# KiCad board ludeled.kicad_pcb (continued)
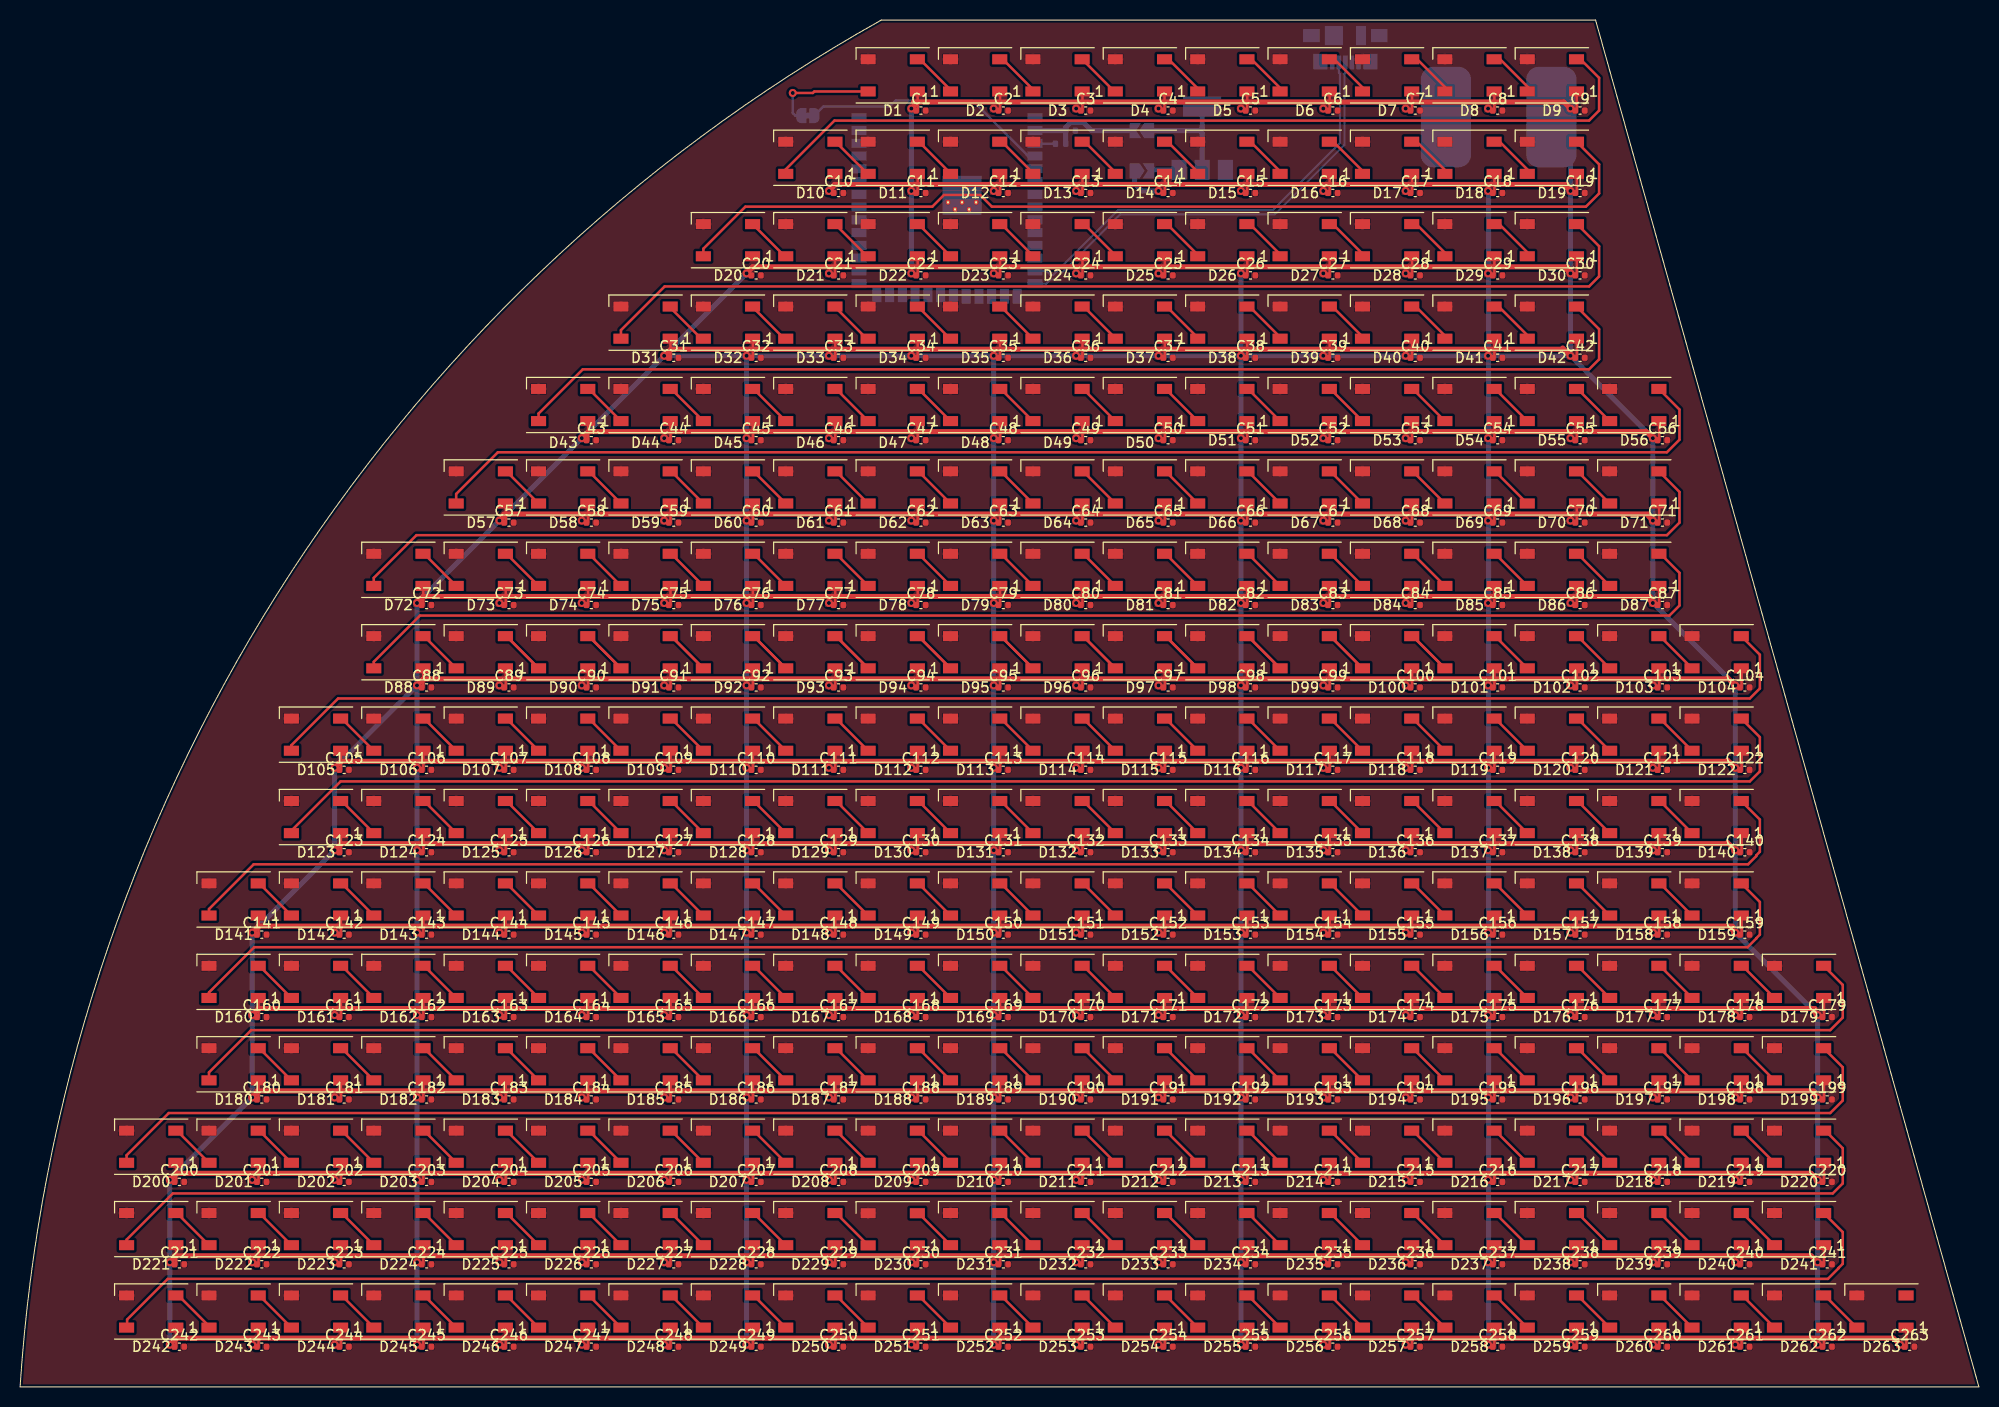
[diagram p0: board, top side]
## Nets (continued)
Net-(D237-Pad2): D237.2 D238.4
Net-(D238-Pad2): D238.2 D239.4
Net-(D239-Pad2): D239.2 D240.4
Net-(D240-Pad2): D240.2 D241.4
Net-(D241-Pad2): D241.2 D242.4
Net-(D242-Pad2): D242.2 D243.4
Net-(D243-Pad2): D243.2 D244.4
Net-(D244-Pad2): D244.2 D245.4
Net-(D245-Pad2): D245.2 D246.4
Net-(D246-Pad2): D246.2 D247.4
Net-(D247-Pad2): D247.2 D248.4
Net-(D248-Pad2): D248.2 D249.4
Net-(D249-Pad2): D249.2 D250.4
Net-(D250-Pad2): D250.2 D251.4
Net-(D251-Pad2): D251.2 D252.4
Net-(D252-Pad2): D252.2 D253.4
Net-(D253-Pad2): D253.2 D254.4
Net-(D254-Pad2): D254.2 D255.4
Net-(D255-Pad2): D255.2 D256.4
Net-(D256-Pad2): D256.2 D257.4
Net-(D257-Pad2): D257.2 D258.4
Net-(D258-Pad2): D258.2 D259.4
Net-(D259-Pad2): D259.2 D260.4
Net-(D260-Pad2): D260.2 D261.4
Net-(D261-Pad2): D261.2 D262.4
Net-(D262-Pad2): D262.2 D263.4
Net-(R1-Pad2): R1.2 U1.3

Pads without a net: D263 2; U1 5 6 7 8 9 10 11 12 15 16 17 18 19 20 21 22 23 24 25 26 28 29 30 31 32 33 34 35 38 39; USB JTAG 1 4

## Via types
v1: diameter 0.8, hole 0.4, Top to Bottom, 264 vias

## Routing (per net, layer and track width the routed paths; a pad name or vN(x,y) marks a point on that pad's centre or on a via; arc(x,y) is an arc through that point)
+3.3V: length 11.6
  Bottom w0.5: U1.2 101.02,125 C264.1 ; 110.45,125 106.65,125 105.84,125.81 104.56,125.81 104.06,125.31 R1.1
+5V: length 3391.1
  Top w0.25: 113.93,110.6 113.93,112.47 D25.1 ; D220.1 179.53,22.27 179.53,20.4 ; D228.1 72.93,14.07 72.93,12.2 ; D163.1 48.33,38.67 48.33,36.8 ; 64.73,86 64.73,87.87 D59.1 ; D33.1 81.13,104.27 81.13,102.4 ; D209.1 89.33,22.27 89.33,20.4 ; 56.53,20.4 56.53,22.27 D205.1 ; D129.1 81.13,55.07 81.13,53.2 ; 105.73,69.6 105.73,71.47 D96.1 ; D51.1 122.13,96.07 122.13,94.2 ; 171.33,53.2 171.33,55.07 D140.1 ; D95.1 97.53,71.47 97.53,69.6 ; D68.1 138.53,87.87 138.53,86 ; 146.73,36.8 146.73,38.67 D175.1 ; D11.1 89.33,120.67 89.33,118.8 ; D224.1 40.13,14.07 40.13,12.2 ; 171.33,20.4 171.33,22.27 D219.1 ; D154.1 130.33,46.87 130.33,45 ; D30.1 154.93,112.47 154.93,110.6 ; D13.1 105.73,120.67 105.73,118.8 ; D225.1 48.33,14.07 48.33,12.2 ; 122.13,20.4 122.13,22.27 D213.1 ; D263.1 187.73,5.87 187.73,4 ; 113.93,36.8 113.93,38.67 D171.1 ; 48.33,61.4 48.33,63.27 D107.1 ; 163.13,12.2 163.13,14.07 D239.1 ; 48.33,4 48.33,5.87 D246.1 ; D256.1 130.33,5.87 130.33,4 ; D72.1 40.13,79.67 40.13,77.8 ; D104.1 171.33,71.47 171.33,69.6 ; D138.1 154.93,55.07 154.93,53.2 ; D26.1 122.13,112.47 122.13,110.6 ; D131.1 97.53,55.07 97.53,53.2 ; 64.73,53.2 64.73,55.07 D127.1 ; D16.1 130.33,120.67 130.33,118.8 ; D182.1 40.13,30.47 40.13,28.6 ; 146.73,102.4 146.73,104.27 D41.1 ; 113.93,4 113.93,5.87 D254.1 ; D251.1 89.33,5.87 89.33,4 ; 138.53,77.8 138.53,79.67 D84.1 ; 113.93,69.6 113.93,71.47 D97.1 ; 122.13,69.6 122.13,71.47 D98.1 ; 81.13,61.4 81.13,63.27 D111.1 ; 122.13,102.4 122.13,104.27 D38.1 ; 89.33,102.4 89.33,104.27 D34.1 ; D60.1 72.93,87.87 72.93,86 ; 163.13,77.8 163.13,79.67 D87.1 ; D164.1 56.53,38.67 56.53,36.8 ; D161.1 31.93,38.67 31.93,36.8 ; D89.1 48.33,71.47 48.33,69.6 ; D46.1 81.13,96.07 81.13,94.2 ; D141.1 23.73,46.87 23.73,45 ; 105.73,127 105.73,128.87 D3.1 ; D168.1 89.33,38.67 89.33,36.8 ; 113.93,86 113.93,87.87 D65.1 ; D147.1 72.93,46.87 72.93,45 ; 40.13,36.8 40.13,38.67 D162.1 ; D157.1 154.93,46.87 154.93,45 ; 89.33,45 89.33,46.87 D149.1 ; D222.1 23.73,14.07 23.73,12.2 ; D203.1 40.13,22.27 40.13,20.4 ; 179.53,28.6 179.53,30.47 D199.1 ; 15.53,20.4 15.53,22.27 D200.1 ; D134.1 122.13,55.07 122.13,53.2 ; 72.93,94.2 72.93,96.07 D45.1 ; D159.1 171.33,46.87 171.33,45 ; D91.1 64.73,71.47 64.73,69.6 ; D64.1 105.73,87.87 105.73,86 ; 72.93,4 72.93,5.87 D249.1 ; D102.1 154.93,71.47 154.93,69.6 ; 31.93,61.4 31.93,63.27 D105.1 ; D56.1 163.13,96.07 163.13,94.2 ; 56.53,53.2 56.53,55.07 D126.1 ; D241.1 179.53,14.07 179.53,12.2 ; 40.13,61.4 40.13,63.27 D106.1 ; D253.1 105.73,5.87 105.73,4 ; 31.93,28.6 31.93,30.47 D181.1 ; 130.33,28.6 130.33,30.47 D193.1 ; 154.93,61.4 154.93,63.27 D120.1 ; 171.33,28.6 171.33,30.47 D198.1 ; D28.1 138.53,112.47 138.53,110.6 ; D243.1 23.73,5.87 23.73,4 ; D115.1 113.93,63.27 113.93,61.4 ; D53.1 138.53,96.07 138.53,94.2 ; D86.1 154.93,79.67 154.93,77.8 ; 105.73,61.4 105.73,63.27 D114.1 ; 130.33,110.6 130.33,112.47 D27.1 ; 64.73,12.2 64.73,14.07 D227.1 ; D261.1 171.33,5.87 171.33,4 ; D15.1 122.13,120.67 122.13,118.8 ; D234.1 122.13,14.07 122.13,12.2 ; 89.3,14.1 89.33,14.07 89.33,12.2 ; 138.53,4 138.53,5.87 D257.1 ; D262.1 179.53,5.87 179.53,4 ; D132.1 105.73,55.07 105.73,53.2 ; 130.33,86 130.33,87.87 D67.1 ; D233.1 113.93,14.07 113.93,12.2 ; D70.1 154.93,87.87 154.93,86 ; D165.1 64.73,38.67 64.73,36.8 ; 97.53,77.8 97.53,79.67 D79.1 ; 81.13,28.6 81.13,30.47 D187.1 ; D136.1 138.53,55.07 138.53,53.2 ; 146.73,4 146.73,5.87 D258.1 ; 48.33,77.8 48.33,79.67 D73.1 ; 23.73,20.4 23.73,22.27 D201.1 ; D231.1 97.53,14.07 97.53,12.2 ; D116.1 122.13,63.27 122.13,61.4 ; D63.1 97.53,87.87 97.53,86 ; 122.13,77.8 122.13,79.67 D82.1 ; 31.93,53.2 31.93,55.07 D123.1 ; 72.93,77.8 72.93,79.67 D76.1 ; 146.73,53.2 146.73,55.07 D137.1 ; 56.53,77.8 56.53,79.67 D74.1 ; D194.1 138.53,30.47 138.53,28.6 ; D108.1 56.53,63.27 56.53,61.4 ; 72.93,69.6 72.93,71.47 D92.1 ; 163.13,4 163.13,5.87 D260.1 ; 138.53,20.4 138.53,22.27 D215.1 ; D240.1 171.33,14.07 171.33,12.2 ; D62.1 89.33,87.87 89.33,86 ; 130.33,69.6 130.33,71.47 D99.1 ; D250.1 81.13,5.87 81.13,4 ; 48.33,53.2 48.33,55.07 D125.1 ; 105.73,28.6 105.73,30.47 D190.1 ; D78.1 89.33,79.67 89.33,77.8 ; D167.1 81.13,38.67 81.13,36.8 ; 146.73,118.8 146.73,120.67 D18.1 ; 130.33,77.8 130.33,79.67 D83.1 ; 146.73,20.4 146.73,22.27 D216.1 ; 122.13,86 122.13,87.87 D66.1 ; 154.93,118.8 154.93,120.67 D19.1 ; 97.53,4 97.53,5.87 D252.1 ; D113.1 97.53,63.27 97.53,61.4 ; 23.73,36.8 23.73,38.67 D160.1 ; D152.1 113.93,46.87 113.93,45 ; D142.1 31.93,46.87 31.93,45 ; D245.1 40.13,5.87 40.13,4 ; D189.1 97.53,30.47 97.53,28.6 ; 40.13,45 40.13,46.87 D143.1 ; 56.53,12.2 56.53,14.07 D226.1 ; D14.1 113.93,120.67 113.93,118.8 ; D244.1 31.93,5.87 31.93,4 ; D118.1 138.53,63.27 138.53,61.4 ; 56.53,94.2 56.53,96.07 D43.1 ; 146.73,28.6 146.73,30.47 D195.1 ; D50.1 113.93,96.07 113.93,94.2 ; D248.1 64.73,5.87 64.73,4 ; D212.1 113.93,22.27 113.93,20.4 ; D54.1 146.73,96.07 146.73,94.2 ; D170.1 105.73,38.67 105.73,36.8 ; D169.1 97.53,38.67 97.53,36.8 ; D42.1 154.93,104.27 154.93,102.4 ; 48.33,28.6 48.33,30.47 D183.1 ; D117.1 130.33,63.27 130.33,61.4 ; D204.1 48.33,22.27 48.33,20.4 ; 105.73,110.6 105.73,112.47 D24.1 ; D247.1 56.53,5.87 56.53,4 ; 138.53,45 138.53,46.87 D155.1 ; 130.33,36.8 130.33,38.67 D173.1 ; 105.73,12.2 105.73,14.07 D232.1 ; D191.1 113.93,30.47 113.93,28.6 ; D172.1 122.13,38.67 122.13,36.8 ; 81.13,20.4 81.13,22.27 D208.1 ; D150.1 97.53,46.87 97.53,45 ; D242.1 15.53,5.87 15.53,4 ; D221.1 15.53,14.07 15.53,12.2 ; D214.1 130.33,22.27 130.33,20.4 ; D185.1 64.73,30.47 64.73,28.6 ; 146.73,69.6 146.73,71.47 D101.1 ; 163.13,36.8 163.13,38.67 D177.1 ; D237.1 146.73,14.07 146.73,12.2 ; D110.1 72.93,63.27 72.93,61.4 ; 154.93,20.4 154.93,22.27 D217.1 ; D31.1 64.73,104.27 64.73,102.4 ; D197.1 163.13,30.47 163.13,28.6 ; 138.53,36.8 138.53,38.67 D174.1 ; 48.33,86 48.33,87.87 D57.1 ; D235.1 130.33,14.07 130.33,12.2 ; D196.1 154.93,30.47 154.93,28.6 ; D100.1 138.53,71.47 138.53,69.6 ; D112.1 89.33,63.27 89.33,61.4 ; 56.53,45 56.53,46.87 D145.1 ; D17.1 138.53,120.67 138.53,118.8 ; D55.1 154.93,96.07 154.93,94.2 ; 130.33,94.2 130.33,96.07 D52.1 ; 105.73,45 105.73,46.87 D151.1 ; D139.1 163.13,55.07 163.13,53.2 ; 163.13,20.4 163.13,22.27 D218.1 ; 154.93,4 154.93,5.87 D259.1 ; 89.33,94.2 89.33,96.07 D47.1 ; D128.1 72.93,55.07 72.93,53.2 ; D85.1 146.73,79.67 146.73,77.8 ; 105.73,102.4 105.73,104.27 D36.1 ; 64.73,94.2 64.73,96.07 D44.1 ; D39.1 130.33,104.27 130.33,102.4 ; 23.73,28.6 23.73,30.47 D180.1 ; 113.93,77.8 113.93,79.67 D81.1 ; D29.1 146.73,112.47 146.73,110.6 ; D77.1 81.13,79.67 81.13,77.8 ; 97.53,94.2 97.53,96.07 D48.1 ; D75.1 64.73,79.67 64.73,77.8 ; D156.1 146.73,46.87 146.73,45 ; 81.13,45 81.13,46.87 D148.1 ; 56.53,86 56.53,87.87 D58.1 ; 89.33,110.6 89.33,112.47 D22.1 ; D35.1 97.53,104.27 97.53,102.4 ; D238.1 154.93,14.07 154.93,12.2 ; D133.1 113.93,55.07 113.93,53.2 ; 72.93,28.6 72.93,30.47 D186.1 ; 146.73,127 146.73,128.87 D8.1 ; D88.1 40.13,71.47 40.13,69.6 ; D119.1 146.73,63.27 146.73,61.4 ; 130.33,53.2 130.33,55.07 D135.1 ; 122.13,28.6 122.13,30.47 D192.1 ; D223.1 31.93,14.07 31.93,12.2 ; 72.93,20.4 72.93,22.27 D207.1 ; 163.13,86 163.13,87.87 D71.1 ; 64.73,20.4 64.73,22.27 D206.1 ; 138.53,12.2 138.53,14.07 D236.1 ; 138.53,102.4 138.53,104.27 D40.1 ; D146.1 64.73,46.87 64.73,45 ; D12.1 97.53,120.67 97.53,118.8 ; D176.1 154.93,38.67 154.93,36.8 ; 89.33,28.6 89.33,30.47 D188.1 ; 163.13,61.4 163.13,63.27 D121.1 ; 171.33,61.4 171.33,63.27 D122.1 ; D184.1 56.53,30.47 56.53,28.6 ; 130.33,127 130.33,128.87 ; 97.53,127 97.53,128.87 D2.1 ; 89.33,69.6 89.33,71.47 D94.1 ; D166.1 72.93,38.67 72.93,36.8 ; D229.1 81.13,14.07 81.13,12.2 ; 154.93,127 154.93,128.87 D9.1 ; D210.1 97.53,22.27 97.53,20.4 ; D255.1 122.13,5.87 122.13,4 ; 122.13,45 122.13,46.87 D153.1 ; 113.9,126.9 113.9,128.77 ; D37.1 113.93,104.27 113.93,102.4 ; D144.1 48.33,46.87 48.33,45 ; D93.1 81.13,71.47 81.13,69.6 ; D7.1 138.53,128.87 138.53,127 ; 31.93,20.4 31.93,22.27 D202.1 ; 179.53,36.8 179.53,38.67 D179.1 ; 163.13,45 163.13,46.87 D158.1 ; D124.1 40.13,55.07 40.13,53.2 ; D178.1 171.33,38.67 171.33,36.8 ; 64.73,61.4 64.73,63.27 D109.1 ; 89.33,127 89.33,128.87 D1.1 ; 97.53,110.6 97.53,112.47 D23.1 ; 72.93,102.4 72.93,104.27 D32.1 ; 105.73,94.2 105.73,96.07 D49.1 ; 105.73,20.4 105.73,22.27 D211.1 ; 56.53,69.6 56.53,71.47 D90.1 ; D130.1 89.33,55.07 89.33,53.2 ; D103.1 163.13,71.47 163.13,69.6 ; 81.1,110.47 81.1,112.34 ; 122.13,127 122.13,128.87 ; 81.15,86.06 81.15,87.94 ; D80.1 105.73,79.67 105.73,77.8 ; 146.73,86 146.73,87.87 D69.1
  Top w0.5: 169.81,70.45 40.15,70.45 v1(39.5,69.8) ; 169.93,62.37 v1(170.7,61.6) ; 56.6,95.05 161.8,95.05 ; 153.87,119.43 v1(154.3,119) ; v1(178.9,28.8) 178.47,29.23 ; 15.33,12.83 v1(14.9,12.4) ; 162.24,78.65 40.1,78.65 40.1,78.6 v1(39.5,78) ; v1(178.9,12.4) 178.25,13.05 15.38,13.05 15.33,13 ; v1(170.7,45.2) 170.27,45.63 ; v1(23.1,45.2) 23.7,45.8 23.7,45.85 170.44,45.85 ; v1(64.1,102.6) 64.75,103.25 153.41,103.25 ; 169.93,70.57 v1(170.7,69.8) ; 48.13,86.85 162.07,86.85 ; v1(31.3,53.4) 31.95,54.05 169.81,54.05 ; 178.47,37.43 v1(178.9,37) ; 154.04,111.45 72.9,111.45 72.9,111.4 v1(72.3,110.8) ; 178.54,29.45 23.6,29.45 23.6,29.3 v1(23.1,28.8) ; 169.93,54.17 v1(170.7,53.4) ; v1(178.9,20.6) 178.25,21.25 15.55,21.25 v1(14.9,20.6) ; v1(187.1,4.2) 186.45,4.85 15.55,4.85 v1(14.9,4.2) ; 178.64,37.65 23.7,37.65 23.7,37.6 v1(23.1,37) ; 162.07,78.43 v1(162.5,78) ; v1(88.7,127.2) 89.13,127.63 ; v1(31.3,61.6) 31.95,62.25 169.81,62.25 ; 81.03,119.65 153.97,119.65 ; v1(47.7,86.2) 48.13,86.63 ; 88.91,127.85 153.65,127.85 v1(154.3,127.2) ; 153.53,103.37 v1(154.3,102.6) ; v1(55.9,94.4) 56.6,95.1 ; 162.07,86.63 v1(162.5,86.2) ; v1(80.5,119) 80.93,119.43 ; 153.87,111.23 v1(154.3,110.8) ; 161.8,95.1 v1(162.5,94.4)
  Bottom w0.5: 5V#2.1 110.93,119.72 111.65,119 v1(113.3,119) ; v1(88.7,127.2) v1(88.7,119) v1(88.7,110.8) ; 72.2,102.5 v1(72.3,102.6) v1(72.3,4.2) ; v1(154.3,102.6) v1(162.5,94.4) v1(162.5,78) v1(170.7,69.8) v1(170.7,45.2) v1(178.9,37) v1(178.9,12.4) v1(178.9,4.2) ; v1(154.3,102.6) v1(64.1,102.6) 64.2,102.5 ; v1(154.3,102.6) v1(154.3,127.2) ; v1(146.1,4.2) 146.15,4.25 146.15,118.95 v1(146.1,119) ; v1(39.5,69.8) v1(39.5,78) v1(72.3,110.8) ; v1(39.5,69.8) v1(39.5,4.2) ; v1(39.5,69.8) v1(31.3,61.6) v1(31.3,53.4) v1(23.1,45.2) v1(23.1,28.8) v1(14.9,20.6) v1(14.9,4.2) ; v1(96.9,4.2) v1(96.9,102.6) ; v1(121.5,4.2) v1(121.5,110.8)
  vias: v1(23.1,20.6) v1(23.1,12.4) v1(23.1,4.2) v1(31.3,45.2) v1(31.3,37) v1(31.3,28.8) v1(31.3,20.6) v1(31.3,12.4) v1(31.3,4.2) v1(39.5,61.6) v1(39.5,53.4) v1(39.5,45.2) v1(39.5,37) v1(39.5,28.8) v1(39.5,20.6) v1(39.5,12.4) v1(47.7,78) v1(47.7,69.8) v1(47.7,61.6) v1(47.7,53.4) v1(47.7,45.2) v1(47.7,37) v1(47.7,28.8) v1(47.7,20.6) v1(47.7,12.4) v1(47.7,4.2) v1(55.9,86.2) v1(55.9,78) v1(55.9,69.8) v1(55.9,61.6) v1(55.9,53.4) v1(55.9,45.2) v1(55.9,37) v1(55.9,28.8) v1(55.9,20.6) v1(55.9,12.4) v1(55.9,4.2) v1(64.1,94.4) v1(64.1,86.2) v1(64.1,78) v1(64.1,69.8) v1(64.1,61.6) v1(64.1,53.4) v1(64.1,45.2) v1(64.1,37) v1(64.1,28.8) v1(64.1,20.6) v1(64.1,12.4) v1(64.1,4.2) v1(72.3,94.4) v1(72.3,86.2) v1(72.3,78) v1(72.3,69.8) v1(72.3,61.6) v1(72.3,53.4) v1(72.3,45.2) v1(72.3,37) v1(72.3,28.8) v1(72.3,20.6) v1(72.3,12.4) v1(80.5,110.8) v1(80.5,102.6) v1(80.5,94.4) v1(80.5,86.2) v1(80.5,78) v1(80.5,69.8) v1(80.5,61.6) v1(80.5,53.4) v1(80.5,45.2) v1(80.5,37) v1(80.5,28.8) v1(80.5,20.6) v1(80.5,12.4) v1(80.5,4.2) v1(88.7,102.6) v1(88.7,94.4) v1(88.7,86.2) v1(88.7,78) v1(88.7,69.8) v1(88.7,61.6) v1(88.7,53.4) v1(88.7,45.2) v1(88.7,37) v1(88.7,28.8) v1(88.7,20.6) v1(88.7,12.4) v1(88.7,4.2) v1(96.9,127.2) v1(96.9,119) v1(96.9,110.8) v1(96.9,94.4) v1(96.9,86.2) v1(96.9,78) v1(96.9,69.8) v1(96.9,61.6) v1(96.9,53.4) v1(96.9,45.2) v1(96.9,37) v1(96.9,28.8) v1(96.9,20.6) v1(96.9,12.4) v1(105.1,127.2) v1(105.1,119) v1(105.1,110.8) v1(105.1,102.6) v1(105.1,94.4) v1(105.1,86.2) v1(105.1,78) v1(105.1,69.8) v1(105.1,61.6) v1(105.1,53.4) v1(105.1,45.2) v1(105.1,37) v1(105.1,28.8) v1(105.1,20.6) v1(105.1,12.4) v1(105.1,4.2) v1(113.3,127.2) v1(113.3,110.8) v1(113.3,102.6) v1(113.3,94.4) v1(113.3,86.2) v1(113.3,78) v1(113.3,69.8) v1(113.3,61.6) v1(113.3,53.4) v1(113.3,45.2) v1(113.3,37) v1(113.3,28.8) v1(113.3,20.6) v1(113.3,12.4) v1(113.3,4.2) v1(121.5,127.2) v1(121.5,119) v1(121.5,102.6) v1(121.5,94.4) v1(121.5,86.2) v1(121.5,78) v1(121.5,69.8) v1(121.5,61.6) v1(121.5,53.4) v1(121.5,45.2) v1(121.5,37) v1(121.5,28.8) v1(121.5,20.6) v1(121.5,12.4) v1(129.7,127.2) v1(129.7,119) v1(129.7,110.8) v1(129.7,102.6) v1(129.7,94.4) v1(129.7,86.2) v1(129.7,78) v1(129.7,69.8) v1(129.7,61.6) v1(129.7,53.4) v1(129.7,45.2) v1(129.7,37) v1(129.7,28.8) v1(129.7,20.6) v1(129.7,12.4) v1(129.7,4.2) v1(137.9,127.2) v1(137.9,119) v1(137.9,110.8) v1(137.9,102.6) v1(137.9,94.4) v1(137.9,86.2) v1(137.9,78) v1(137.9,69.8) v1(137.9,61.6) v1(137.9,53.4) v1(137.9,45.2) v1(137.9,37) v1(137.9,28.8) v1(137.9,20.6) v1(137.9,12.4) v1(137.9,4.2) v1(146.1,127.2) v1(146.1,110.8) v1(146.1,102.6) v1(146.1,94.4) v1(146.1,86.2) v1(146.1,78) v1(146.1,69.8) v1(146.1,61.6) v1(146.1,53.4) v1(146.1,45.2) v1(146.1,37) v1(146.1,28.8) v1(146.1,20.6) v1(146.1,12.4) v1(154.3,94.4) v1(154.3,86.2) v1(154.3,78) v1(154.3,69.8) v1(154.3,61.6) v1(154.3,53.4) v1(154.3,45.2) v1(154.3,37) v1(154.3,28.8) v1(154.3,20.6) v1(154.3,12.4) v1(154.3,4.2) v1(162.5,69.8) v1(162.5,61.6) v1(162.5,53.4) v1(162.5,45.2) v1(162.5,37) v1(162.5,28.8) v1(162.5,20.6) v1(162.5,12.4) v1(162.5,4.2) v1(170.7,37) v1(170.7,28.8) v1(170.7,20.6) v1(170.7,12.4) v1(170.7,4.2)
/3V3_REG_IN_5V: length 2.5
  Bottom w0.5: U2.3 112.9,121.1
/3V3_REG_OUT: length 11.5
  Bottom w0.5: 117.4,125 117.65,125.25 U2.2 ; 117.4,125 3V3.1 ; 117.4,125 117.65,124.75 U2.2
/DriverBrakeLeds/DRIVER_BRAKE_LED_DIN: length 10.5
  Top w0.25: D1.4 79.05,128.9 78.9,128.75 v1(76.9,128.75)
  Bottom w0.25: v1(76.9,128.75) 76.9,126.75 77.15,126.5 JP3.2
/ESP_JTAG_USB_D+: length 44.8
  Bottom w0.2: USB JTAG.3 131.9,130.75 131.8,130.65 131.8,123.58 124.89,116.67 109.49,116.67 103,110.19 102.54,110.19 102.13,109.78 U1.14
/ESP_JTAG_USB_D-: length 44
  Bottom w0.2: U1.13 102.13,111.05 102.54,110.63 102.82,110.63 109.31,117.12 124.71,117.12 131.35,123.77 131.35,130.65 131.25,130.75 USB JTAG.2
/ESP_LED_OUT1: length 24.9
  Bottom w0.25: 101,122.47 100.31,122.47 94.79,128 87.15,128 86.55,127.4 79.95,127.4 JP3.1
Net-(D1-Pad2): length 4.8
  Top w0.25: 92.75,128.9 89.55,132.1 89.31,132.1
Net-(D2-Pad2): length 4.7
  Top w0.25: 97.65,132.1 97.8,132.1 101,128.9
Net-(D3-Pad2): length 4.6
  Top w0.25: D4.4 108.9,128.9 D3.2
Net-(D4-Pad2): length 4.5
  Top w0.25: 114.3,132.1 117.5,128.9
Net-(D5-Pad2): length 4.7
  Top w0.25: 122.4,132.1 122.55,132.1 125.75,128.9
Net-(D6-Pad2): length 4.7
  Top w0.25: 130.65,132.1 130.8,132.1 134,128.9
Net-(D7-Pad2): length 4.7
  Top w0.25: 138.9,132.1 139.05,132.1 142.25,128.9
Net-(D8-Pad2): length 4.7
  Top w0.25: 150.5,128.9 147.3,132.1 147.15,132.1
Net-(D10-Pad2): length 4.6
  Top w0.25: 84.41,120.65 81.21,123.85 81.1,123.85
Net-(D10-Pad4): length 89.7
  Top w0.25: 155.3,132.1 157.15,130.25 157.15,127 156.15,126 81.05,126 76.2,121.15 D10.4
Net-(D11-Pad2): length 4.7
  Top w0.25: 92.7,120.65 89.5,123.85 89.31,123.85
Net-(D12-Pad2): length 4.7
  Top w0.25: 97.6,123.85 97.75,123.85 100.95,120.65
Net-(D13-Pad2): length 4.7
  Top w0.25: 109.2,120.65 106,123.85 105.85,123.85
Net-(D14-Pad2): length 4.7
  Top w0.25: 117.45,120.65 114.25,123.85 114.1,123.85
Net-(D15-Pad2): length 4.7
  Top w0.25: 122.35,123.85 122.5,123.85 125.7,120.65
Net-(D16-Pad2): length 4.7
  Top w0.25: 130.6,123.85 130.75,123.85 133.95,120.65
Net-(D17-Pad2): length 4.7
  Top w0.25: 142.25,120.65 139.05,123.85 138.85,123.85
Net-(D18-Pad2): length 4.7
  Top w0.25: 150.5,120.65 147.3,123.85 147.15,123.85
Net-(D19-Pad2): length 99.2
  Top w0.25: D20.4 68,113.25 72.19,117.44 90.79,117.44 91.95,118.6 95.55,118.6 96.72,117.44 155.84,117.44 157.15,118.75 157.15,121.65 D19.2
Net-(D20-Pad2): length 4.7
  Top w0.25: 76.2,112.4 73,115.6 72.85,115.6
Net-(D21-Pad2): length 4.6
  Top w0.25: 81.1,115.6 81.21,115.6 84.41,112.4
Net-(D22-Pad2): length 4.7
  Top w0.25: 92.7,112.4 89.5,115.6 89.31,115.6
Net-(D23-Pad2): length 4.7
  Top w0.25: 100.95,112.4 97.75,115.6 97.6,115.6
Net-(D24-Pad2): length 4.7
  Top w0.25: 105.85,115.6 106,115.6 109.2,112.4
Net-(D25-Pad2): length 4.7
  Top w0.25: 114.1,115.6 114.25,115.6 117.45,112.4
Net-(D26-Pad2): length 4.7
  Top w0.25: 122.35,115.6 122.5,115.6 125.7,112.4
Net-(D27-Pad2): length 4.7
  Top w0.25: 133.95,112.4 130.75,115.6 130.6,115.6
Net-(D28-Pad2): length 4.7
  Top w0.25: 142.25,112.4 139.05,115.6 138.85,115.6
Net-(D29-Pad2): length 4.7
  Top w0.25: 147.15,115.6 147.3,115.6 150.5,112.4
Net-(D30-Pad2): length 106.5
  Top w0.25: D31.4 59.8,105.15 64.15,109.5 156.15,109.5 157.15,110.5 157.15,113.5 154.95,115.7
Net-(D31-Pad2): length 4.5
  Top w0.25: 64.75,107.35 67.95,104.15
Net-(D32-Pad2): length 4.7
  Top w0.25: 72.85,107.35 73,107.35 76.2,104.15
Net-(D33-Pad2): length 4.6
  Top w0.25: 81.1,107.35 81.21,107.35 84.41,104.15
Net-(D34-Pad2): length 4.7
  Top w0.25: 89.31,107.35 89.5,107.35 92.7,104.15
Net-(D35-Pad2): length 4.7
  Top w0.25: 100.95,104.15 97.75,107.35 97.6,107.35
Net-(D36-Pad2): length 4.7
  Top w0.25: 105.85,107.35 106,107.35 109.2,104.15
Net-(D37-Pad2): length 4.7
  Top w0.25: 114.1,107.35 114.25,107.35 117.45,104.15
Net-(D38-Pad2): length 4.7
  Top w0.25: 122.35,107.35 122.5,107.35 125.7,104.15
Net-(D39-Pad2): length 4.7
  Top w0.25: 130.6,107.35 130.75,107.35 133.95,104.15
Net-(D40-Pad2): length 4.7
  Top w0.25: 142.25,104.15 139.05,107.35 138.85,107.35
Net-(D41-Pad2): length 4.7
  Top w0.25: 150.5,104.15 147.3,107.35 147.15,107.35
Net-(D42-Pad2): length 114.7
  Top w0.25: D43.4 51.6,96.85 56,101.25 156.15,101.25 157.15,102.25 157.15,105.25 D42.2
Net-(D43-Pad2): length 4.6
  Top w0.25: D44.4 56.6,99.3 D43.2
Net-(D44-Pad2): length 4.6
  Top w0.25: D45.4 64.8,99.3 D44.2
Net-(D45-Pad2): length 4.6
  Top w0.25: D46.4 73,99.3 D45.2
Net-(D46-Pad2): length 4.6
  Top w0.25: D46.2 81.2,99.3 D47.4
Net-(D47-Pad2): length 4.6
  Top w0.25: D47.2 89.4,99.3 D48.4
Net-(D48-Pad2): length 4.6
  Top w0.25: D49.4 97.6,99.3 D48.2
Net-(D49-Pad2): length 4.6
  Top w0.25: D50.4 105.8,99.3 D49.2
Net-(D50-Pad2): length 4.6
  Top w0.25: D50.2 114,99.3 D51.4
Net-(D51-Pad2): length 4.6
  Top w0.25: D51.2 122.2,99.3 D52.4
Net-(D52-Pad2): length 4.6
  Top w0.25: D53.4 130.4,99.3 D52.2
Net-(D53-Pad2): length 4.6
  Top w0.25: D53.2 138.6,99.3 D54.4
Net-(D54-Pad2): length 4.6
  Top w0.25: D54.2 146.8,99.3 D55.4
Net-(D55-Pad2): length 4.6
  Top w0.25: D55.2 155,99.3 D56.4
Net-(D56-Pad2): length 130.8
  Top w0.25: D57.4 43.4,88.85 47.55,93 163.9,93 165.15,94.25 165.15,97.25 D56.2
Net-(D57-Pad2): length 4.6
  Top w0.25: D58.4 48.4,91.1 D57.2
Net-(D58-Pad2): length 4.6
  Top w0.25: D59.4 56.6,91.1 D58.2
Net-(D59-Pad2): length 4.6
  Top w0.25: D60.4 64.8,91.1 D59.2
Net-(D60-Pad2): length 4.6
  Top w0.25: D61.4 73,91.1 D60.2
Net-(D61-Pad2): length 4.6
  Top w0.25: D62.4 81.2,91.1 D61.2
Net-(D62-Pad2): length 4.6
  Top w0.25: D62.2 89.4,91.1 D63.4
Net-(D63-Pad2): length 4.6
  Top w0.25: D63.2 97.6,91.1 D64.4
Net-(D64-Pad2): length 4.6
  Top w0.25: D65.4 105.8,91.1 D64.2
Net-(D65-Pad2): length 4.6
  Top w0.25: D65.2 114,91.1 D66.4
Net-(D66-Pad2): length 4.6
  Top w0.25: D66.2 122.2,91.1 D67.4
Net-(D67-Pad2): length 4.6
  Top w0.25: D68.4 130.4,91.1 D67.2
Net-(D68-Pad2): length 4.6
  Top w0.25: D69.4 138.6,91.1 D68.2
Net-(D69-Pad2): length 4.6
  Top w0.25: D70.4 146.8,91.1 D69.2
Net-(D70-Pad2): length 4.6
  Top w0.25: D71.4 155,91.1 D70.2
Net-(D71-Pad2): length 139
  Top w0.25: D72.4 35.2,80.5 39.45,84.75 163.9,84.75 165.15,86 165.15,89.05 D71.2
Net-(D72-Pad2): length 4.6
  Top w0.25: D72.2 40.2,82.9 D73.4
Net-(D73-Pad2): length 4.6
  Top w0.25: D74.4 48.4,82.9 D73.2
Net-(D74-Pad2): length 4.6
  Top w0.25: D74.2 56.6,82.9 D75.4
Net-(D75-Pad2): length 4.6
  Top w0.25: D75.2 64.8,82.9 D76.4
Net-(D76-Pad2): length 4.6
  Top w0.25: D76.2 73,82.9 D77.4
Net-(D77-Pad2): length 4.6
  Top w0.25: D77.2 81.2,82.9 D78.4
Net-(D78-Pad2): length 4.6
  Top w0.25: D78.2 89.4,82.9 D79.4
Net-(D79-Pad2): length 4.6
  Top w0.25: D79.2 97.6,82.9 D80.4
Net-(D80-Pad2): length 4.6
  Top w0.25: D81.4 105.8,82.9 D80.2
Net-(D81-Pad2): length 4.6
  Top w0.25: D81.2 114,82.9 D82.4
Net-(D82-Pad2): length 4.6
  Top w0.25: D82.2 122.2,82.9 D83.4
Net-(D83-Pad2): length 4.6
  Top w0.25: D84.4 130.4,82.9 D83.2
Net-(D84-Pad2): length 4.6
  Top w0.25: D85.4 138.6,82.9 D84.2
Net-(D85-Pad2): length 4.6
  Top w0.25: D86.4 146.8,82.9 D85.2
Net-(D86-Pad2): length 4.6
  Top w0.25: D86.2 155,82.9 D87.4
Net-(D87-Pad2): length 139
  Top w0.25: D87.2 163.25,82.9 165.15,81 165.15,77.75 164.15,76.75 39.8,76.75 35.2,72.15 D88.4
Net-(D88-Pad2): length 4.6
  Top w0.25: D89.4 40.2,74.7 D88.2
Net-(D89-Pad2): length 9.3
  Top w0.25: 48.4,74.7 D89.2 48.4,74.7 ; 48.4,74.7 D90.4 48.4,74.7
Net-(D90-Pad2): length 9.3
  Top w0.25: 56.6,74.7 D91.4 56.6,74.7 ; 56.6,74.7 D90.2 56.6,74.7
Net-(D91-Pad2): length 9.3
  Top w0.25: 64.8,74.7 D91.2 64.8,74.7 ; 64.8,74.7 D92.4 64.8,74.7
Net-(D92-Pad2): length 9.3
  Top w0.25: 73,74.7 D92.2 73,74.7 ; 73,74.7 D93.4 73,74.7
Net-(D93-Pad2): length 9.3
  Top w0.25: 81.2,74.7 D93.2 81.2,74.7 ; 81.2,74.7 D94.4 81.2,74.7
Net-(D94-Pad2): length 9.3
  Top w0.25: 89.4,74.7 D94.2 89.4,74.7 ; 89.4,74.7 D95.4 89.4,74.7
Net-(D95-Pad2): length 9.3
  Top w0.25: 97.6,74.7 D96.4 97.6,74.7 ; 97.6,74.7 D95.2 97.6,74.7
Net-(D96-Pad2): length 9.3
  Top w0.25: 105.8,74.7 D97.4 105.8,74.7 ; 105.8,74.7 D96.2 105.8,74.7
Net-(D97-Pad2): length 9.3
  Top w0.25: 114,74.7 D98.4 114,74.7 ; 114,74.7 D97.2 114,74.7
Net-(D98-Pad2): length 9.3
  Top w0.25: 122.2,74.7 D99.4 122.2,74.7 ; 122.2,74.7 D98.2 122.2,74.7
Net-(D100-Pad2): length 9.3
  Top w0.25: 138.6,74.7 D101.4 138.6,74.7 ; 138.6,74.7 D100.2 138.6,74.7
Net-(D100-Pad4): length 9.3
  Top w0.25: 130.4,74.7 D99.2 130.4,74.7 ; 130.4,74.7 D100.4 130.4,74.7
Net-(D101-Pad2): length 4.6
  Top w0.25: D102.4 146.8,74.7 D101.2
Net-(D102-Pad2): length 4.6
  Top w0.25: D102.2 155,74.7 D103.4
Net-(D103-Pad2): length 4.6
  Top w0.25: D103.2 163.2,74.7 D104.4
Net-(D104-Pad2): length 155
  Top w0.25: D105.4 27,63.85 31.65,68.5 172.15,68.5 173.15,69.5 173.15,72.85 D104.2
Net-(D105-Pad2): length 4.6
  Top w0.25: D106.4 32,66.5 D105.2
Net-(D106-Pad2): length 4.6
  Top w0.25: D106.2 40.2,66.5 D107.4
Net-(D107-Pad2): length 4.6
  Top w0.25: D107.2 48.4,66.5 D108.4
Net-(D108-Pad2): length 4.6
  Top w0.25: D109.4 56.6,66.5 D108.2
Net-(D109-Pad2): length 4.6
  Top w0.25: D110.4 64.8,66.5 D109.2
Net-(D110-Pad2): length 4.6
  Top w0.25: D110.2 73,66.5 D111.4
Net-(D111-Pad2): length 4.6
  Top w0.25: D111.2 81.2,66.5 D112.4
Net-(D112-Pad2): length 4.6
  Top w0.25: D113.4 89.4,66.5 D112.2
Net-(D113-Pad2): length 4.6
  Top w0.25: D113.2 97.6,66.5 D114.4
Net-(D114-Pad2): length 4.6
  Top w0.25: D115.4 105.8,66.5 D114.2
Net-(D115-Pad2): length 4.6
  Top w0.25: D115.2 114,66.5 D116.4
Net-(D116-Pad2): length 4.6
  Top w0.25: D116.2 122.2,66.5 D117.4
Net-(D117-Pad2): length 4.6
  Top w0.25: D118.4 130.4,66.5 D117.2
Net-(D118-Pad2): length 4.6
  Top w0.25: D118.2 138.6,66.5 D119.4
Net-(D119-Pad2): length 4.6
  Top w0.25: D119.2 146.8,66.5 D120.4
Net-(D120-Pad2): length 4.6
  Top w0.25: D120.2 155,66.5 D121.4
Net-(D121-Pad2): length 4.6
  Top w0.25: D122.4 163.2,66.5 D121.2
Net-(D122-Pad2): length 154.9
  Top w0.25: D123.4 27,55.35 31.9,60.25 172.15,60.25 173.15,61.25 173.15,64.65 D122.2
Net-(D123-Pad2): length 4.6
  Top w0.25: D124.4 32,58.3 D123.2
Net-(D124-Pad2): length 4.6
  Top w0.25: D124.2 40.2,58.3 D125.4
Net-(D125-Pad2): length 4.6
  Top w0.25: D126.4 48.4,58.3 D125.2
Net-(D126-Pad2): length 4.6
  Top w0.25: D127.4 56.6,58.3 D126.2
Net-(D127-Pad2): length 4.6